# Altium PCB N-CW7Rev00.PcbDoc (part 3 of 4) (continued)
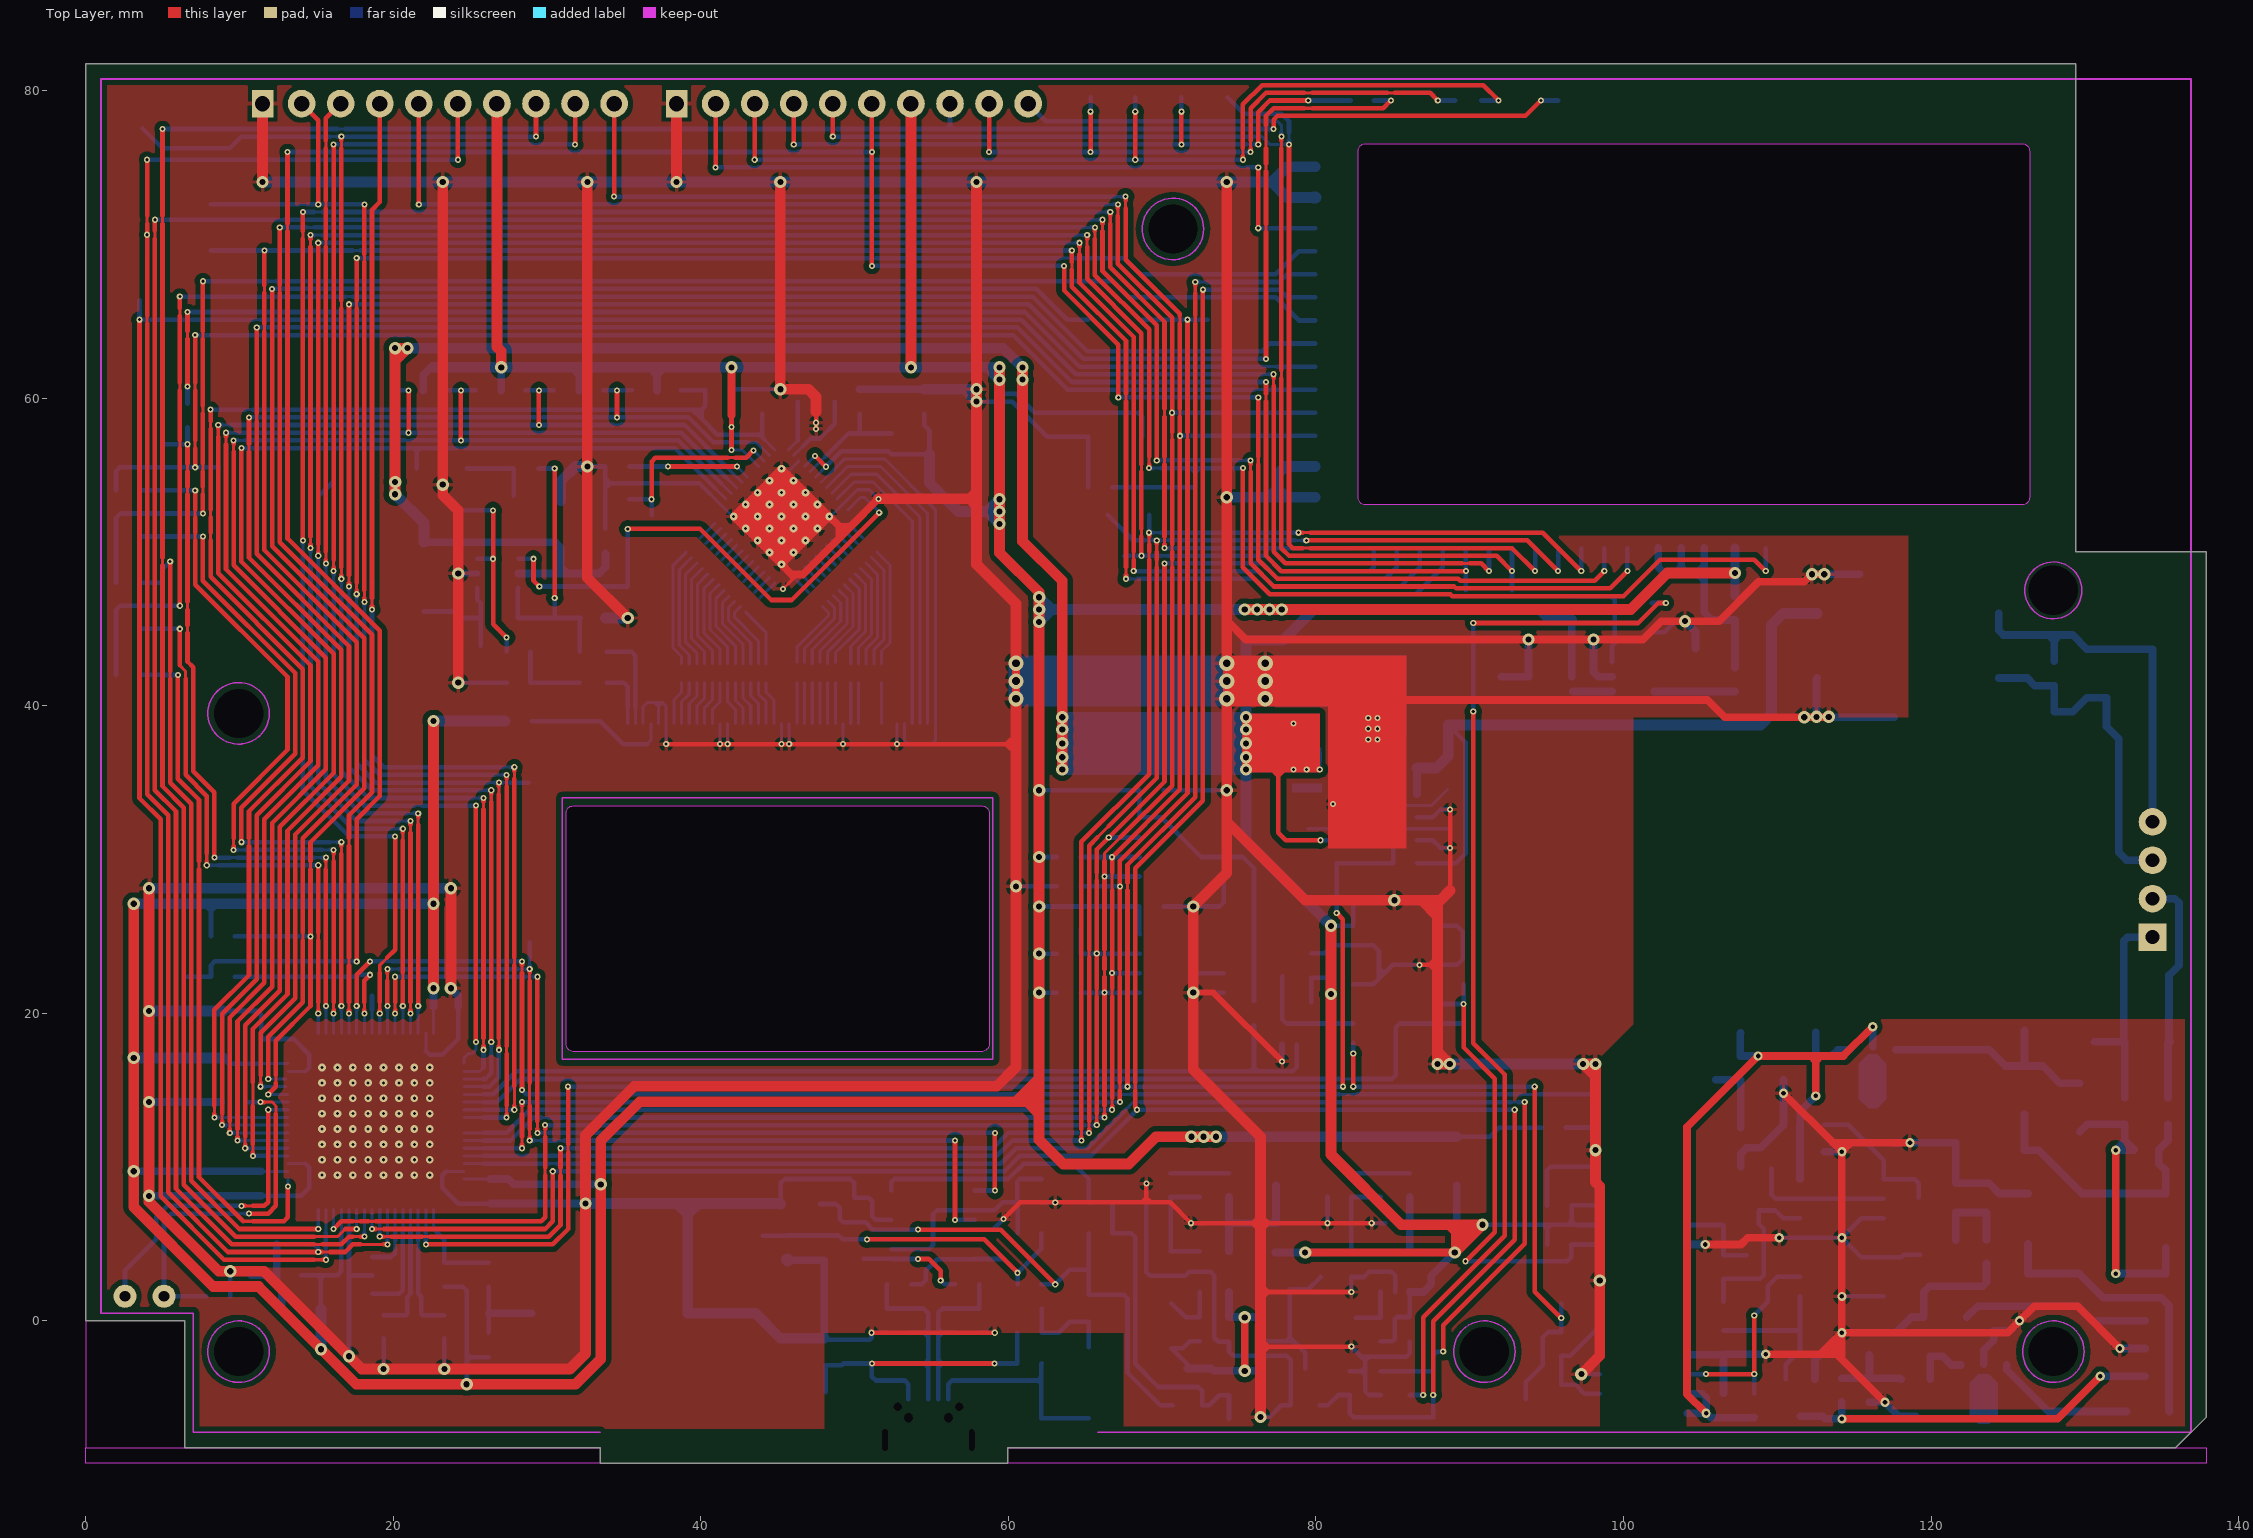
[diagram p0: Top Layer view]
## Nets (pads, with @x,y where several pads share a name; then routed paths per layer and width w, separated by ;. In a path a pad name is that pad's centre, name@x,y a point inside that pad or via, vN(x,y) a via of type N, cw(c..) or ccw(c..) an arc to the next point about the centre after c; other vN are vias at no path point) (continued)
  Bottom Layer w0.8: R27.1@45.625,3.975 R27.1@45.65,3.95 ; M1.A13@79.875,73.05 M1.A13@79.95,73.05
  Bottom Layer w1: v6(76.7,40.45) v6(76.7,41.6) v6(76.7,42.75) ; v6(74.2,40.45) v6(74.2,42.75) ; v6(74.2,40.45) v6(60.5,40.45) v6(60.5,42.75) v6(74.2,42.75) ; v6(74.2,40.45) v6(74.2,41.6) v6(74.2,42.75)
  other v1: 81.1,33.6 83.4,37.8 84,37.8 83.4,38.5 84,38.5 83.4,39.2 84,39.2
  other v3: 15.375,9.475 16.375,9.475 17.375,9.475 18.375,9.475 19.375,9.475 20.375,9.475 21.375,9.475 22.375,9.475 15.375,10.475 16.375,10.475 17.375,10.475 18.375,10.475 19.375,10.475 20.375,10.475 21.375,10.475 22.375,10.475 15.375,11.475 16.375,11.475 17.375,11.475 18.375,11.475 19.375,11.475 20.375,11.475 21.375,11.475 22.375,11.475 15.375,12.475 16.375,12.475 17.375,12.475 18.375,12.475 19.375,12.475 20.375,12.475 21.375,12.475 22.375,12.475 15.375,13.475 16.375,13.475 17.375,13.475 18.375,13.475 19.375,13.475 20.375,13.475 21.375,13.475 22.375,13.475 15.375,14.475 16.375,14.475 17.375,14.475 18.375,14.475 19.375,14.475 20.375,14.475 21.375,14.475 22.375,14.475 15.375,15.475 16.375,15.475 17.375,15.475 18.375,15.475 19.375,15.475 20.375,15.475 21.375,15.475 22.375,15.475 15.375,16.475 16.375,16.475 17.375,16.475 18.375,16.475 19.375,16.475 20.375,16.475 21.375,16.475 22.375,16.475
  other v4: 44.472,49.967 46.028,49.967 45.25,50.744 46.806,50.744 42.917,51.522 44.472,51.522 46.028,51.522 47.583,51.522 43.694,52.3 45.25,52.3 46.806,52.3 42.917,53.078 44.472,53.078 46.028,53.078 47.583,53.078 45.25,53.856 46.806,53.856 44.472,54.633 46.028,54.633
  other v6: 74.2,40.45 60.5,41.6 74.2,41.6 74.2,42.75
I2C_SCL: CN1S.10 M1.A3 R8.1 TP23.1 U1.58 U2.6 U3.6 | length 159.2
  Top Layer w0.2: 66.75,13.975 66.75,14.475 ; 66.75,21.09 66.75,21.59 ; 66.75,28 66.75,29.14 ; 67.625,72.35 67.625,72.85 ; 71.15,58.8 71.15,59.3 ; 71.15,64.85 71.15,65.35
  Top Layer w0.3: v1(34.365,73.1) CN1S.10@34.365,79.15 ; v1(66.75,13.725) 66.75,13.975 ; 66.75,14.475 66.75,17.815 66.75,21.09 ; 66.75,21.59 v1(66.75,22.61) 66.75,28 ; 66.75,29.14 v1(66.75,30.15) 71.15,34.55 v1(71.15,57.55) 71.15,58.8 ; 67.625,72.35 67.625,69 71.15,65.475 71.15,65.35 ; 67.625,72.85 v1(67.625,73.1) ; 71.15,59.3 71.15,64.85
  Bottom Layer w0.2: U1.58@24.6,12.225 25.875,12.225 ; 66,13.725 66.5,13.725 ; 66.875,73.1 67.375,73.1
  Bottom Layer w0.3: 25.875,12.225 27.375,12.225 28.875,13.725 66,13.725 ; v1(34.365,73.1) 66.875,73.1 ; R8.1@64.7,30.16 U3.6@68.55,30.16 ; 66.5,13.725 v1(66.75,13.725) ; v1(66.75,22.61) U2.6@68.55,22.61 ; 67.375,73.1 v1(67.625,73.1) ; v1(71.15,57.55) M1.A3@79.95,57.55
I2C_SDA: CN1S.5 M1.A4 R7.1 TP24.1 U1.59 U2.5 U3.5 | length 172.5
  Top Layer w0.2: 66.25,13.475 66.25,13.975 ; 66.25,22.36 66.25,22.86 ; 66.25,23.63 66.25,24.13 ; 66.25,29.9 66.25,30.4 67.285,31.435 ; 67.125,71.85 67.125,72.35 ; 70.65,49 70.65,49.5 ; 70.65,50 70.65,50.5 ; 70.65,57.3 70.65,57.8
  Top Layer w0.3: v1(21.665,72.6) CN1S.5@21.665,79.15 ; v1(66.25,13.225) 66.25,13.475 ; 66.25,13.975 66.25,18.065 v1(66.25,21.34) 66.25,22.36 ; 66.25,22.86 66.25,23.63 ; 66.25,24.13 v1(66.25,28.89) 66.25,29.9 ; 67.125,71.85 67.125,68.75 70.65,65.225 70.65,57.8 ; 67.125,72.35 v1(67.125,72.6) ; 67.285,31.435 70.65,34.8 70.65,49 ; 70.65,49.5 70.65,50 ; 70.65,50.5 70.65,57.3
  Bottom Layer w0.2: U1.59@24.6,11.725 25.875,11.725 ; 29.625,13.225 30.125,13.225 ; 34.115,72.6 34.615,72.6 ; 65.5,13.225 66,13.225 ; 66.375,72.6 66.875,72.6
  Bottom Layer w0.3: v1(21.665,72.6) 34.115,72.6 ; 25.875,11.725 27.625,11.725 29.125,13.225 ; 29.25,13.225 29.125,13.225 ; 29.625,13.225 29.125,13.225 ; 30.125,13.225 65.5,13.225 ; 34.615,72.6 66.375,72.6 ; R7.1@64.7,21.34 U2.5@68.55,21.34 ; 66,13.225 v1(66.25,13.225) ; v1(66.25,28.89) U3.5@68.55,28.89 ; 66.875,72.6 v1(67.125,72.6) ; v1(70.65,59.05) M1.A4@79.95,59.05
ISO5V: C51.1 C80.2 R65.2 R67.1 R69.1 R70.1 TP160.1 U16.7 U16.8 U20.2 U25.14 | length 54.8
  Top Layer w0.5: v5(105.37,-6.005) 104.125,-4.76 104.125,12.6 v5(108.75,17.225) 112.169,17.225 ; v5(112.5,14.625) 112.5,16.894 112.497,16.897 ; v5(116.2,19.125) 114.3,17.225 112.825,17.225 ; 112.169,17.225 112.825,17.225 ; 112.169,17.225 112.497,16.897 ; 112.497,16.897 112.825,17.225
  Bottom Layer w0.5: U16.8@104.15,-6.005 v5(105.37,-6.005) ; U16.7@104.15,-4.735 105.1,-4.735 105.37,-5.005 v5(105.37,-6.005) ; TP160.1@107.625,18.725 107.6,18.7 R65.2@107.6,17.225 v5(108.75,17.225) ; R70.1@108.5,-6.275 108.475,-6.3 C51.1@106.5,-6.3 105.665,-6.3 v5(105.37,-6.005) ; U25.14@111.475,9.21 C80.2@111.475,11 111.475,12.725 R69.1@111.5,12.75 111.5,13.625 v5(112.5,14.625) R67.1@112.5,15.675 ; U20.2@116.2,17.825 v5(116.2,19.125)
ISOGND: C51.2 C54.1 C55.1 C58.2 C80.1 D8.3 Q2.2 Q3.3 Q4.1 Q5.2 R68.2 R74.1 R77.1 TP159.1 U15.3 U16.5 U19.2 U21.3 U25.3 U25.5 U25.7 U25.11 | length 120.3
  Top Layer w0.5: v5(105.315,4.965) 107.64,4.965 108.075,5.4 v5(110.125,5.4) ; v5(109.25,-2.175) 112.8,-2.175 ; v5(110.4,14.8) 113.625,11.575 ; v5(117,-5.3) 114.2,-2.5 ; v5(118.625,11.575) 114.775,11.575 ; v5(132.275,-1.8) 129.525,0.95 126.7,0.95 v5(125.75,0) 124.975,-0.775 v5(114.2,-0.775) ; 112.8,-2.175 113.338,-2.175 ; 112.8,-2.175 113.775,-1.2 ; 113.338,-2.175 113.875,-2.175 ; 113.338,-2.175 113.875,-1.637 ; 113.625,11.575 v5(114.2,11) ; 113.625,11.575 114.775,11.575 ; 113.775,-1.2 v5(114.2,-0.775) ; 113.775,-1.2 113.875,-1.3 113.875,-1.637 ; 113.875,-2.175 113.875,-1.637 ; 113.875,-2.175 114.2,-2.5 ; 114.2,-2.5 v5(114.2,-0.775) ; v5(114.2,-0.775) v5(114.2,5.4) v5(114.2,11) ; v5(114.2,11) 114.775,11.575
  Bottom Layer w0.3: v5(110.125,5.4) U25.11@111.475,5.4 v5(114.2,5.4) ; v5(114.2,1.59) U25.7@116.925,1.59 ; U25.3@116.925,6.67 115.47,6.67 v5(114.2,5.4) ; D8.3@119.3,4.3 118.225,4.3 118.055,4.13 U25.5@116.925,4.13 115.47,4.13 v5(114.2,5.4)
  Bottom Layer w0.5: U16.5@104.15,-2.195 106.48,-2.195 R77.1@106.5,-2.175 ; U15.3@104.15,4.965 v5(105.315,4.965) ; C51.2@106.5,-4.7 R77.1@106.5,-2.175 ; U19.2@107.625,10.03 107.625,10.875 108,11.25 108.925,11.25 110.4,12.725 v5(110.4,14.8) R68.2@110.4,15.675 ; v5(109.25,-2.175) R77.1@106.5,-2.175 ; Q2.2@112.45,-3.8 112.45,-2.525 v5(114.2,-0.775) ; C80.1@113.075,11 v5(114.2,11) ; C54.1@116,-5.3 v5(117,-5.3) 117.9,-6.2 Q3.3@119,-6.2 ; TP159.1@117.5,11.575 v5(118.625,11.575) C58.2@121.6,11.575 Q4.1@121.6,8.95 123.775,8.95 124.45,8.275 U21.3@126.3,8.275 ; Q5.2@123.425,-2.825 123.425,-1.9 124.075,-1.25 C55.1@124.075,-0.65 125.1,-0.65 v5(125.75,0) ; v5(132.275,-1.8) R74.1@133.925,-1.8
LEDA: CN3.2 L21.2 | length 6.4
  Bottom Layer w0.2: CN3.2@35.75,38.85 35.75,39.9
  Bottom Layer w0.3: L21.2@33.875,43.5 35.5,43.5 35.75,43.25 35.75,39.9
LEDK: CN3.1 L22.2 | length 3.9
  Bottom Layer w0.2: CN3.1@35.25,38.85 35.25,39.9
  Bottom Layer w0.3: L22.2@33.875,41.5 35,41.5 35.25,41.25 35.25,39.9
MON_12VPWR: M1.A10 R14.1 R15.2 TP34.1 U1.2 | length 154
  Top Layer w0.2: 31.375,10.975 31.375,11.475 ; 67.75,28 67.75,28.5 ; 72.15,64.85 72.15,65.35 ; 72.15,66.8 72.15,67.3
  Top Layer w0.3: v1(22.125,4.975) 30.375,4.975 31.375,5.975 ; 31.375,6.425 31.375,5.975 ; 31.375,10.975 31.375,5.975 ; 31.375,11.475 v1(31.375,15.225) ; v1(67.75,15.225) 67.75,28 ; 67.75,28.5 67.75,29.65 72.15,34.05 72.15,64.85 ; 72.15,65.35 72.15,66.8 ; 72.15,67.3 v1(72.15,67.55) ; v1(81.35,26.525) 81.75,26.125 v1(81.75,15.225)
  Bottom Layer w0.2: 22.125,5.975 U1.2@22.125,7.25 ; 72.4,67.55 72.9,67.55
  Bottom Layer w0.3: v1(22.125,4.975) 22.125,5.975 ; v1(31.375,15.225) v1(67.75,15.225) v1(81.75,15.225) ; v1(72.15,67.55) 72.4,67.55 ; 72.9,67.55 77.625,67.55 78.125,68.05 M1.A10@79.95,68.05 ; v1(81.35,26.525) TP34.1@81.35,29.75 R14.1@85.025,29.75 R15.2@85.025,31.25
NetC6_1: C6.1 U1.3 X3.1 | length 8.4
  Bottom Layer w0.2: 21.625,4.725 21.625,5.225 ; 21.625,5.975 U1.3@21.625,7.25
  Bottom Layer w0.3: 21.625,4.725 21.625,1.75 21.816,1.559 X3.1@21.816,0.449 21.89,0.375 C6.1@23.325,0.375 ; 21.625,5.225 21.625,5.975
NetC7_2: C7.2 U1.4 X3.4 | length 8.5
  Bottom Layer w0.2: 21.125,5.975 U1.4@21.125,7.25
  Bottom Layer w0.3: C7.2@19.375,0.375 20.842,0.375 X3.4@20.916,0.449 20.916,1.541 21.125,1.75 21.125,5.975
NetC11_1: C11.1 D1.1 R2.2 TP45.1 | length 5.8
  Bottom Layer w0.3: D1.1@26.225,-0.775 TP45.1@26.225,0.5 R2.2@26.225,2.225
  Bottom Layer w0.5: TP45.1@26.225,0.5 C11.1@29,0.5
NetC21_1: C21.1 Q1.1 R22.2 R23.2 TP66.1 | length 21.4
  Bottom Layer w0.3: R23.2@66.775,7.7 R22.2@66.775,5.7 68,5.7 68.25,5.45 68.25,-2.8 69.75,-4.3 72.35,-4.3 72.6,-4.55 Q1.1@72.6,-5.5 73.075,-5.5 73.725,-4.85 C21.1@74.35,-4.85 TP66.1@74.35,-6.35
NetC22_1: C22.1 C28.1 L1.1 Q1.2 R22.1 R26.2 TP60.1 U7.12 | length 36.6
  Top Layer w0.3: v1(54.122,5.933) 59.492,5.933 v1(63.05,2.375)
  Bottom Layer w0.3: C28.1@47.75,7.6 48.775,7.6 49.025,7.35 49.025,6.625 49.25,6.4 C22.1@49.975,6.4 50.725,6.4 51.192,5.933 U7.12@52.375,5.933 v1(54.122,5.933) ; R26.2@62.15,2.375 v1(63.05,2.375) 64,3.325 TP60.1@65.225,3.325 ; R22.1@65.225,5.7 L1.1@65.225,1.7 67.5,1.7 67.75,1.45 67.75,-3.375 69.875,-5.5 Q1.2@70.7,-5.5
NetC23_2: C23.2 R88.1 TP56.1 U7.3 U7.10 | length 15.7
  Bottom Layer w0.3: U7.10@52.375,4.663 54.837,4.663 55.1,4.925 55.1,6.94 55.363,7.203 U7.3@57.825,7.203 59.122,7.203 59.62,7.7 C23.2@60.575,7.7 ; R88.1@60.6,5.7 60.6,7.675 C23.2@60.575,7.7 ; TP56.1@62.175,9.225 60.75,9.225 60.575,9.05 C23.2@60.575,7.7
NetC24_1: C24.1 R26.1 R27.2 R88.2 TP57.1 U7.11 | length 23.1
  Top Layer w0.3: v1(50.801,5.298) 58.427,5.298 v1(60.6,3.125)
  Bottom Layer w0.3: TP57.1@44.025,5.525 R27.2@45.625,5.525 45.65,5.55 C24.1@48.025,5.55 48.975,5.55 49.227,5.298 v1(50.801,5.298) U7.11@52.375,5.298 ; R26.1@60.6,2.375 v1(60.6,3.125) 62.15,4.675 R88.2@62.15,5.7
NetC25_2: C25.2 CN2.3 R25.2 TP61.1 V1.2 | length 13.2
  Bottom Layer w0.3: R25.2@52.125,2.375 52.1,2.35 TP61.1@52.1,0.8 54.5,0.8 54.8,0.5 54.8,-0.5 ; V1.2@53.685,-2.775 54.55,-2.775 ; C25.2@53.7,-0.775 54.525,-0.775 ; CN2.3@54.8,-5.1 54.8,-3.025 ; 54.525,-0.775 54.8,-1.05 ; 54.525,-0.775 54.8,-0.5 ; 54.55,-2.775 54.8,-2.525 ; 54.55,-2.775 54.8,-3.025 ; 54.8,-3.025 54.8,-2.525 ; 54.8,-2.525 54.8,-1.05 ; 54.8,-1.05 54.8,-0.5
NetC26_2: C26.2 CN2.2 R24.2 TP62.1 V2.2 | length 13.3
  Bottom Layer w0.3: CN2.2@55.45,-5.1 55.45,-3.025 ; 55.45,-0.238 55.45,-0.525 ; C26.2@56.525,-0.775 55.7,-0.775 ; V2.2@56.54,-2.775 55.7,-2.775 ; R24.2@58.1,2.375 TP62.1@58.1,0.8 55.7,0.8 55.45,0.55 55.45,-0.525 ; 55.45,-3.025 55.45,-2.525 ; 55.45,-3.025 55.7,-2.775 ; 55.45,-2.525 55.45,-1.025 ; 55.45,-2.525 55.7,-2.775 ; 55.45,-1.025 55.45,-0.525 ; 55.45,-1.025 55.7,-0.775 ; 55.45,-0.525 55.7,-0.775
NetC27_1: C27.1 L1.2 P1.1 TP59.1 | length 6.6
  Bottom Layer w0.3: TP59.1@62.175,0.775 C27.1@62.175,-0.775 63.275,-0.775 64,-0.05 L1.2@65.225,-0.05 P1.1@65.225,-1.725
NetC27_2: C27.2 CN2.5 L7.2 R92.2 TP75.1 V1.1 V2.1 V3.1 | length 22.6
  Top Layer w0.3: v1(51.125,-2.775) v1(59.1,-2.775)
  Bottom Layer w0.3: TP75.1@48.125,-4.625 48.125,-2.875 49.175,-2.875 49.275,-2.775 R92.2@50,-2.775 v1(51.125,-2.775) ; V1.1@52.115,-2.775 v1(51.125,-2.775) ; CN2.5@53.5,-5.1 53.5,-4.125 53.25,-3.875 51.375,-3.875 51.125,-3.625 v1(51.125,-2.775) ; V2.1@58.11,-2.775 v1(59.1,-2.775) V3.1@60.59,-2.775 60.59,-0.79 C27.2@60.575,-0.775
NetC37_1: C37.1 D5.1 R35.2 TP80.1 | length 4.8
  Bottom Layer w0.3: R35.2@24.775,55.425 TP80.1@26.3,55.425 C37.1@27.85,55.425 D5.1@27.85,53.65
NetC37_2: C37.2 C38.1 D11.1 L21.1 TP78.1 U34.6 | length 19.1
  Top Layer w0.3: v1(30.5,47) v1(30.5,55.425)
  Bottom Layer w0.3: U34.6@28.125,47.65 28.1,47.625 D11.1@28.1,45.7 TP78.1@30.5,45.7 ; C37.2@29.45,55.425 v1(30.5,55.425) ; v1(30.5,47) TP78.1@30.5,45.7 ; L21.1@32.125,43.5 32.125,45.625 C38.1@32.2,45.7 TP78.1@30.5,45.7
NetC54_2: C54.2 Q3.1 R75.2 TP152.1 | length 5.4
  Bottom Layer w0.5: R75.2@114.2,-3.725 117.975,-3.725 Q3.1@118.05,-3.8 ; TP152.1@115.975,-2.225 116,-2.25 C54.2@116,-3.7
NetC55_2: C55.2 C56.1 R73.1 TP156.1 | length 12.3
  Bottom Layer w0.5: C56.1@122.325,0.25 123.025,0.95 C55.2@124.075,0.95 129.525,0.95 130.475,0 TP156.1@132.375,0 R73.1@133.925,0
NetC56_2: C56.2 R71.2 TP158.1 | length 9.2
  Bottom Layer w0.5: TP158.1@117.85,-0.65 118.75,0.25 C56.2@119.525,0.25 119.525,1.875 119.9,2.25 123.35,2.25 123.6,2.5 R71.2@123.6,3.725
NetC58_1: C58.1 D9.1 D10.1 TP163.1 U20.3 | length 15.2
  Bottom Layer w0.5: U20.3@117.7,17.625 C58.1@121.6,17.625 123.775,17.625 124.825,16.575 D9.1@126.075,16.575 ; TP163.1@126.075,18.875 D9.1@126.075,16.575 ; D10.1@129.675,15.45 128.375,15.45 127.25,16.575 D9.1@126.075,16.575
NetC68_1: C68.1 CN7.3 TP177.1 TVS1.2 U28.3 | length 22.1
  Bottom Layer w0.5: U28.3@124.4,41.8 126.25,41.8 126.75,41.3 C68.1@128,41.3 TP177.1@128,39.6 129.2,39.6 130.125,40.525 TVS1.2@131.4,40.525 131.4,38.65 132.2,37.85 132.2,30.47 132.71,29.96 CN7.3@134.4,29.96
NetC68_2: C68.2 CN7.4 TP175.1 TVS1.1 U28.1 | length 25.2
  Bottom Layer w0.5: U28.1@124.4,46 124.4,44.9 124.7,44.6 127.625,44.6 ; C68.2@128,42.9 128,44.225 ; CN7.4@134.4,32.45 TP175.1@134.4,43.675 TVS1.1@131.4,43.675 130.125,43.675 129.2,44.6 128.375,44.6 ; 127.625,44.6 128.375,44.6 ; 127.625,44.6 128,44.225 ; 128,44.225 128.375,44.6
NetC69_1: C69.1 D10.2 L6.1 TP164.1 U21.2 | length 20.1
  Top Layer w0.5: v5(132,3.075) v5(132,11.1)
  Bottom Layer w0.5: D10.2@129.675,12.3 130.15,12.775 L6.1@132.6,12.775 132.6,11.725 ; v5(132,3.075) U21.2@135.25,3.075 TP164.1@135.25,4.75 ; 132.6,11.725 132.6,11.7 v5(132,11.1) 133.175,11.1 C69.1@133.2,11.125 132.6,11.725
NetC69_2: C69.2 D9.2 L5.1 TP165.1 U21.4 | length 17.6
  Bottom Layer w0.5: D9.2@126.075,13.425 TP165.1@126.075,11.1 127,11.1 129.825,8.275 U21.4@135.25,8.275 135.25,9.778 134.8,10.228 C69.2@134.8,11.125 135.4,11.725 L5.1@135.4,12.775
NetC70_1: C70.1 CN7.1 L6.2 TP179.1 V4.2 | length 14.1
  Bottom Layer w0.5: TP179.1@130.625,18.15 V4.2@132.52,18.15 V4.2@132.525,18.155 ; L6.2@132.6,14.525 132.6,18.07 132.525,18.145 V4.2@132.525,18.155 ; CN7.1@134.4,24.95 132.775,24.95 132.525,24.7 V4.2@132.525,18.155
  Bottom Layer w0.6: V4.2@132.52,18.15 V4.2@132.525,18.145
NetC70_2: C70.2 CN7.2 L5.2 TP178.1 V4.1 | length 14.8
  Bottom Layer w0.5: CN7.2@134.4,27.45 135.85,27.45 136.125,27.175 136.125,23.125 135.475,22.475 135.475,18.155 135.4,18.08 L5.2@135.4,14.525
  Bottom Layer w0.6: V4.1@135.475,18.155 V4.1@135.48,18.15
NetC74_1: C74.1 R12.1 R13.2 TP72.1 U5.4 | length 7.4
  Bottom Layer w0.3: U5.4@84.2,4.525 83.45,4.525 83.375,4.45 C74.1@82.3,4.45 TP72.1@82.3,6.35 R13.2@82.3,8.05 R12.1@84.2,8.05
NetC75_1: C75.1 R17.1 R18.2 TP68.1 U6.4 | length 7.4
  Bottom Layer w0.3: U6.4@72.45,4.525 C75.1@70.55,4.525 TP68.1@70.55,6.35 70.55,8.025 R18.2@70.525,8.05 R17.1@72.45,8.05
NetC79_2: C79.2 Q6.3 Q7.1 R21.2 TP181.1 | length 10.8
  Bottom Layer w0.3: R21.2@76.4,-1.325 78.05,-1.325 ; 78.8,-1.575 78.55,-1.325 ; Q6.3@79.3,-3.1 79.3,-2.075 78.55,-1.325 ; C79.2@80.3,2.85 79.5,2.05 Q7.1@78.3,2.05 TP181.1@78.3,0.2 78.3,-1.075 ; 78.05,-1.325 78.55,-1.325 ; 78.05,-1.325 78.3,-1.075 ; 78.3,-1.075 78.55,-1.325
NetCN2_1: CN2.1 P1.2 TP58.1 V3.2 | length 14.2
  Bottom Layer w0.3: CN2.1@56.1,-5.1 56.1,-4.125 56.35,-3.875 61.925,-3.875 ; V3.2@62.16,-2.775 62.15,-2.785 62.15,-3.65 ; P1.2@65.225,-6.325 TP58.1@62.15,-6.325 62.15,-4.1 ; 61.925,-3.875 62.15,-4.1 ; 61.925,-3.875 62.15,-3.65 ; 62.15,-4.1 62.15,-3.65
NetCN3_4: CN3.4 L23.2 | length 9.5
  Bottom Layer w0.2: 36.5,37.5 36.75,37.75 CN3.4@36.75,38.85
  Bottom Layer w0.3: L23.2@29.025,39 33.45,39 34.95,37.5 36.5,37.5
NetD5_3: D5.3 R36.2 TP101.1 U34.3 | length 13.1
  Top Layer w0.3: v1(26.5,52.7) 26.5,45.3 v1(27.375,44.425)
  Bottom Layer w0.3: TP101.1@24,52.7 D5.3@25.55,52.7 v1(26.5,52.7) ; U34.3@25.475,49.55 v1(26.5,49.55) ; R36.2@27.375,43.5 v1(27.375,44.425)
NetD6_1: D6.1 R52.2 TP142.1 U16.2 | length 7.9
  Bottom Layer w0.3: U16.2@98.45,-4.735 97.46,-4.735 96.875,-4.15 D6.1@95.95,-4.15 R52.2@95.95,-2.275 96.525,-2.275 TP142.1@98.45,-0.35
NetD6_3: D6.3 R52.1 TP143.1 U17.8 | length 38.1
  Top Layer w0.3: v1(82.425,15.225) v1(82.425,17.375) ; v1(94.225,15.225) 94.225,1.9 v1(95.95,0.175)
  Bottom Layer w0.3: v1(82.425,15.225) v1(94.225,15.225) ; v1(82.425,17.375) U17.8@82.425,18.065 ; D6.3@93.65,-5.1 93.65,-4 94.75,-2.9 94.75,-1.075 95.1,-0.725 R52.1@95.95,-0.725 v1(95.95,0.175) TP143.1@95.95,1.125
NetD7_1: D7.1 R66.2 TP145.1 U15.2 | length 5.8
  Bottom Layer w0.3: U15.2@104.15,6.235 106.49,6.235 D7.1@106.5,6.225 R66.2@106.5,4.275 TP145.1@108,4.275
NetD7_3: D7.3 R66.1 TP146.1 U25.12 | length 11.4
  Bottom Layer w0.3: TP146.1@106.5,1.25 R66.1@106.5,2.725 108.875,2.725 109.125,2.975 109.125,5.975 108.8,6.3 D7.3@108.8,7.175 109.875,7.175 110.38,6.67 U25.12@111.475,6.67
NetD8_1: D8.1 Q4.2 R71.1 TP157.1 | length 5.6
  Bottom Layer w0.5: D8.1@121.6,5.25 Q4.2@121.6,7.05 TP157.1@123.6,7.05 R71.1@123.6,5.275
NetD11_2: D11.2 L4.1 TP77.1 U34.1 | length 7.7
  Bottom Layer w0.3: L4.1@22,46.125 24.075,46.125 24.5,45.7 D11.2@25.7,45.7 ; U34.1@25.475,47.65 25.475,46.9 25.7,46.675 D11.2@25.7,45.7 ; TP77.1@25.7,43.9 D11.2@25.7,45.7
NetL8_1: L8.1 U8.28 | length 1.4
  Bottom Layer w0.2: U8.28@48.52,50.797 L8.1@49.475,49.843
NetL8_2: L8.2 U8.27 | length 1.4
  Bottom Layer w0.2: U8.27@48.874,51.151 L8.2@49.829,50.196
NetL8_3: L8.3 U8.26 | length 1.4
  Bottom Layer w0.2: U8.26@49.227,51.505 L8.3@50.182,50.55
NetL8_4: L8.4 U8.25 | length 1.4
  Bottom Layer w0.2: U8.25@49.581,51.858 L8.4@50.536,50.903
NetL8_5: L8.5 L15.4 | length 7.9
  Bottom Layer w0.2: L8.5@51.455,49.984 52.303,49.136 52.303,44.103 51.753,43.553 L15.4@51.753,42.699
NetL8_6: L8.6 L15.3 | length 7.5
  Bottom Layer w0.2: L8.6@51.101,49.631 51.903,48.829 51.903,44.278 51.253,43.628 L15.3@51.253,42.699
NetL8_7: L8.7 L15.2 | length 7.2
  Bottom Layer w0.2: L8.7@50.748,49.277 51.503,48.522 51.503,44.453 50.753,43.703 L15.2@50.753,42.699
NetL8_8: L8.8 L15.1 | length 6.9
  Bottom Layer w0.2: L15.1@50.256,42.701 50.256,43.781 51.103,44.628 51.103,48.215 L8.8@50.394,48.924
NetL9_1: L9.1 U8.32 | length 1.4
  Bottom Layer w0.2: U8.32@47.106,49.383 L9.1@48.061,48.429
NetL9_2: L9.2 U8.31 | length 1.4
  Bottom Layer w0.2: U8.31@47.46,49.737 L9.2@48.414,48.782
NetL9_3: L9.3 U8.30 | length 1.4
  Bottom Layer w0.2: U8.30@47.813,50.09 L9.3@48.768,49.136
NetL9_4: L9.4 U8.29 | length 1.4
  Bottom Layer w0.2: U8.29@48.167,50.444 L9.4@49.121,49.489
NetL9_5: L9.5 L16.4 | length 6.5
  Bottom Layer w0.2: L16.4@49.753,42.703 49.753,43.853 50.703,44.803 50.703,47.908 L9.5@50.041,48.57
NetL9_6: L9.6 L16.2 | length 6.3
  Bottom Layer w0.2: L16.2@48.75,42.8 48.75,43.425 50.303,44.978 50.303,47.601 L9.6@49.687,48.216
NetL9_7: L9.7 L16.1 | length 6.1
  Bottom Layer w0.2: L16.1@48.25,42.7 L16.1@48.25,42.8 48.25,43.5 49.903,45.153 49.903,47.294 L9.7@49.334,47.863
NetL9_8: L9.8 L17.4 | length 5.7
  Bottom Layer w0.2: L17.4@47.75,42.8 47.75,43.575 49.503,45.328 49.503,46.986 L9.8@48.98,47.509
NetL10_2: L10.2 U8.35 | length 1.4
  Bottom Layer w0.2: U8.35@46.045,48.323 L10.2@47,47.368
NetL10_3: L10.3 U8.34 | length 1.4
  Bottom Layer w0.2: U8.34@46.399,48.676 L10.3@47.354,47.721
NetL10_4: L10.4 U8.33 | length 1.4
  Bottom Layer w0.2: U8.33@46.753,49.03 L10.4@47.707,48.075
NetL10_5: L10.5 L17.3 | length 5.4
  Bottom Layer w0.2: L17.3@47.25,42.7 L17.3@47.25,42.8 47.25,43.65 49.103,45.503 49.103,46.679 L10.5@48.626,47.156
NetL10_6: L10.6 L17.2 | length 5
  Bottom Layer w0.2: L17.2@46.75,42.8 46.75,43.725 48.703,45.678 48.703,46.372 L10.6@48.273,46.802
NetL10_7: L10.7 L17.1 | length 4.7
  Bottom Layer w0.2: L17.1@46.25,42.8 46.25,43.8 48.303,45.853 48.303,46.065 L10.7@47.919,46.449
NetL11_1: L11.1 U8.40 | length 1.4
  Bottom Layer w0.2: L11.1@42.793,48.075 U8.40@43.747,49.03
NetL11_2: L11.2 U8.39 | length 1.4
  Bottom Layer w0.2: L11.2@43.146,47.721 U8.39@44.101,48.676
NetL11_3: L11.3 U8.38 | length 1.4
  Bottom Layer w0.2: L11.3@43.5,47.368 U8.38@44.455,48.323
NetL11_4: L11.4 U8.37 | length 1.4
  Bottom Layer w0.2: L11.4@43.853,47.014 U8.37@44.808,47.969
NetL11_5: L11.5 L18.4 | length 3.9
  Bottom Layer w0.2: L11.5@42.921,46.085 44.253,44.753 L18.4@44.253,42.701
NetL11_6: L11.6 L18.3 | length 4.5
  Bottom Layer w0.2: L11.6@42.567,46.439 42.562,46.439 42.2,46.077 42.2,45.75 43.75,44.2 L18.3@43.75,42.704
NetL11_7: L11.7 L18.2 | length 4.8
  Bottom Layer w0.2: L11.7@42.184,46.768 41.8,46.384 41.8,45.55 43.25,44.1 L18.2@43.25,42.704
NetL11_8: L11.8 L18.1 | length 5.2
  Bottom Layer w0.2: L11.8@41.831,47.122 41.4,46.691 41.4,45.35 42.75,44 L18.1@42.75,42.704
NetL12_1: L12.1 U8.44 | length 1.4
  Bottom Layer w0.2: L12.1@41.379,49.489 U8.44@42.333,50.444
NetL12_2: L12.2 U8.43 | length 1.4
  Bottom Layer w0.2: L12.2@41.732,49.136 U8.43@42.687,50.09
NetL12_3: L12.3 U8.42 | length 1.4
  Bottom Layer w0.2: L12.3@42.086,48.782 U8.42@43.04,49.737
NetL12_4: L12.4 U8.41 | length 1.4
  Bottom Layer w0.2: L12.4@42.439,48.429 U8.41@43.394,49.383
NetL12_5: L12.5 L19.4 | length 5.5
  Bottom Layer w0.2: L12.5@41.52,47.509 41,46.989 41,45.15 42.25,43.9 L19.4@42.25,42.704
NetL12_6: L12.6 L19.3 | length 5.9
  Bottom Layer w0.2: L12.6@41.166,47.863 40.6,47.296 40.6,44.95 41.75,43.8 L19.3@41.75,42.704
NetL12_7: L12.7 L19.2 | length 6.2
  Bottom Layer w0.2: L12.7@40.813,48.216 40.2,47.604 40.2,44.75 41.25,43.7 L19.2@41.25,42.704
NetL12_8: L12.8 L19.1 | length 6.5
  Bottom Layer w0.2: L12.8@40.459,48.57 39.8,47.911 39.8,44.55 40.75,43.6 L19.1@40.75,42.704
NetL13_1: L13.1 U8.48 | length 1.4
  Bottom Layer w0.2: L13.1@39.964,50.903 U8.48@40.919,51.858
NetL13_2: L13.2 U8.47 | length 1.4
  Bottom Layer w0.2: L13.2@40.318,50.55 U8.47@41.273,51.505
NetL13_3: L13.3 U8.46 | length 1.4
  Bottom Layer w0.2: L13.3@40.671,50.196 U8.46@41.626,51.151
NetL13_4: L13.4 U8.45 | length 1.4
  Bottom Layer w0.2: L13.4@41.025,49.843 U8.45@41.98,50.797
NetL13_5: L13.5 L20.4 | length 6.9
  Bottom Layer w0.2: L13.5@40.106,48.924 39.4,48.218 39.4,44.35 40.247,43.503 L20.4@40.247,42.703
NetL13_6: L13.6 L20.3 | length 7.2
  Bottom Layer w0.2: L20.3@39.75,42.7 39.75,43.4 39,44.15 39,48.525 L13.6@39.752,49.277
NetL13_7: L13.7 L20.2 | length 7.5
  Bottom Layer w0.2: L20.2@39.25,42.7 39.25,43.3 38.6,43.95 38.6,48.832 L13.7@39.399,49.631
NetL13_8: L13.8 L20.1 | length 7.9
  Bottom Layer w0.2: L20.1@38.75,42.7 38.75,43.2 38.2,43.75 38.2,49.139 L13.8@39.045,49.984
NetL22_1: L22.1 R36.1 R37.2 TP79.1 | length 5.2
  Bottom Layer w0.3: R36.1@28.925,43.5 28.925,41.525 R37.2@28.9,41.5 TP79.1@30.5,41.5 L22.1@32.125,41.5
NetM1_A5: M1.A5 R83.1 TP102.1 | length 90.9
  Top Layer w0.2: 7.125,56.75 7.125,57.25 ; 7.125,60.5 7.125,61
  Top Layer w0.3: v1(7.125,55.5) 7.125,56.75 ; 7.125,57.25 7.125,60.5 ; 7.125,61 v1(7.125,64.1)
  Bottom Layer w0.2: 10.875,64.1 11.375,64.1 ; 66.9,60.55 67.4,60.55 ; 76,60.55 77,60.55
  Bottom Layer w0.3: R83.1@1.975,54 1.975,55.25 2.225,55.5 v1(7.125,55.5) TP102.1@8.65,55.5 ; v1(7.125,64.1) 10.875,64.1 ; 11.375,64.1 60.325,64.1 63.875,60.55 66.9,60.55 ; 67.4,60.55 70.4,60.55 76,60.55 ; 77,60.55 M1.A5@79.95,60.55
NetM1_A6: M1.A6 R82.1 TP103.1 | length 82.1
  Top Layer w0.2: 6.625,63.85 6.625,64.35
  Top Layer w0.3: v1(6.625,60.75) 6.625,63.85 ; 6.625,64.35 v1(6.625,65.6)
  Bottom Layer w0.2: 16.875,65.6 17.375,65.6 ; 76.5,62.05 77.5,62.05
  Bottom Layer w0.3: R82.1@6.625,59.65 v1(6.625,60.75) TP103.1@6.625,62.075 ; v1(6.625,65.6) 16.875,65.6 ; 17.375,65.6 61.075,65.6 64.625,62.05 76.5,62.05 ; 77.5,62.05 M1.A6@79.95,62.05
NetM1_A7: M1.A7 R80.1 R81.1 TP104.1 | length 104.1
  Top Layer w0.2: 6.125,56.75 6.125,57.25 ; 6.125,60.5 6.125,61 ; 6.125,65.35 6.125,65.85
  Top Layer w0.3: v1(6.125,46.5) 6.125,47.75 6.125,56.75 ; 6.125,57.25 6.125,60.5 ; 6.125,61 6.125,65.35 ; 6.125,65.85 v1(6.125,66.6)
  Bottom Layer w0.2: 11.875,66.6 12.375,66.6 ; 16.875,66.6 17.375,66.6
  Bottom Layer w0.3: R80.1@1.975,42 R81.1@1.975,45 1.975,46.225 2.25,46.5 v1(6.125,46.5) ; v1(6.125,66.6) 11.875,66.6 ; 12.375,66.6 16.875,66.6 ; 17.375,66.6 61.575,66.6 65.125,63.05 76.5,63.05 77,63.55 M1.A7@79.95,63.55